# Altium PCB BLDC-2020.PcbDoc (part 1 of 2) (continued)
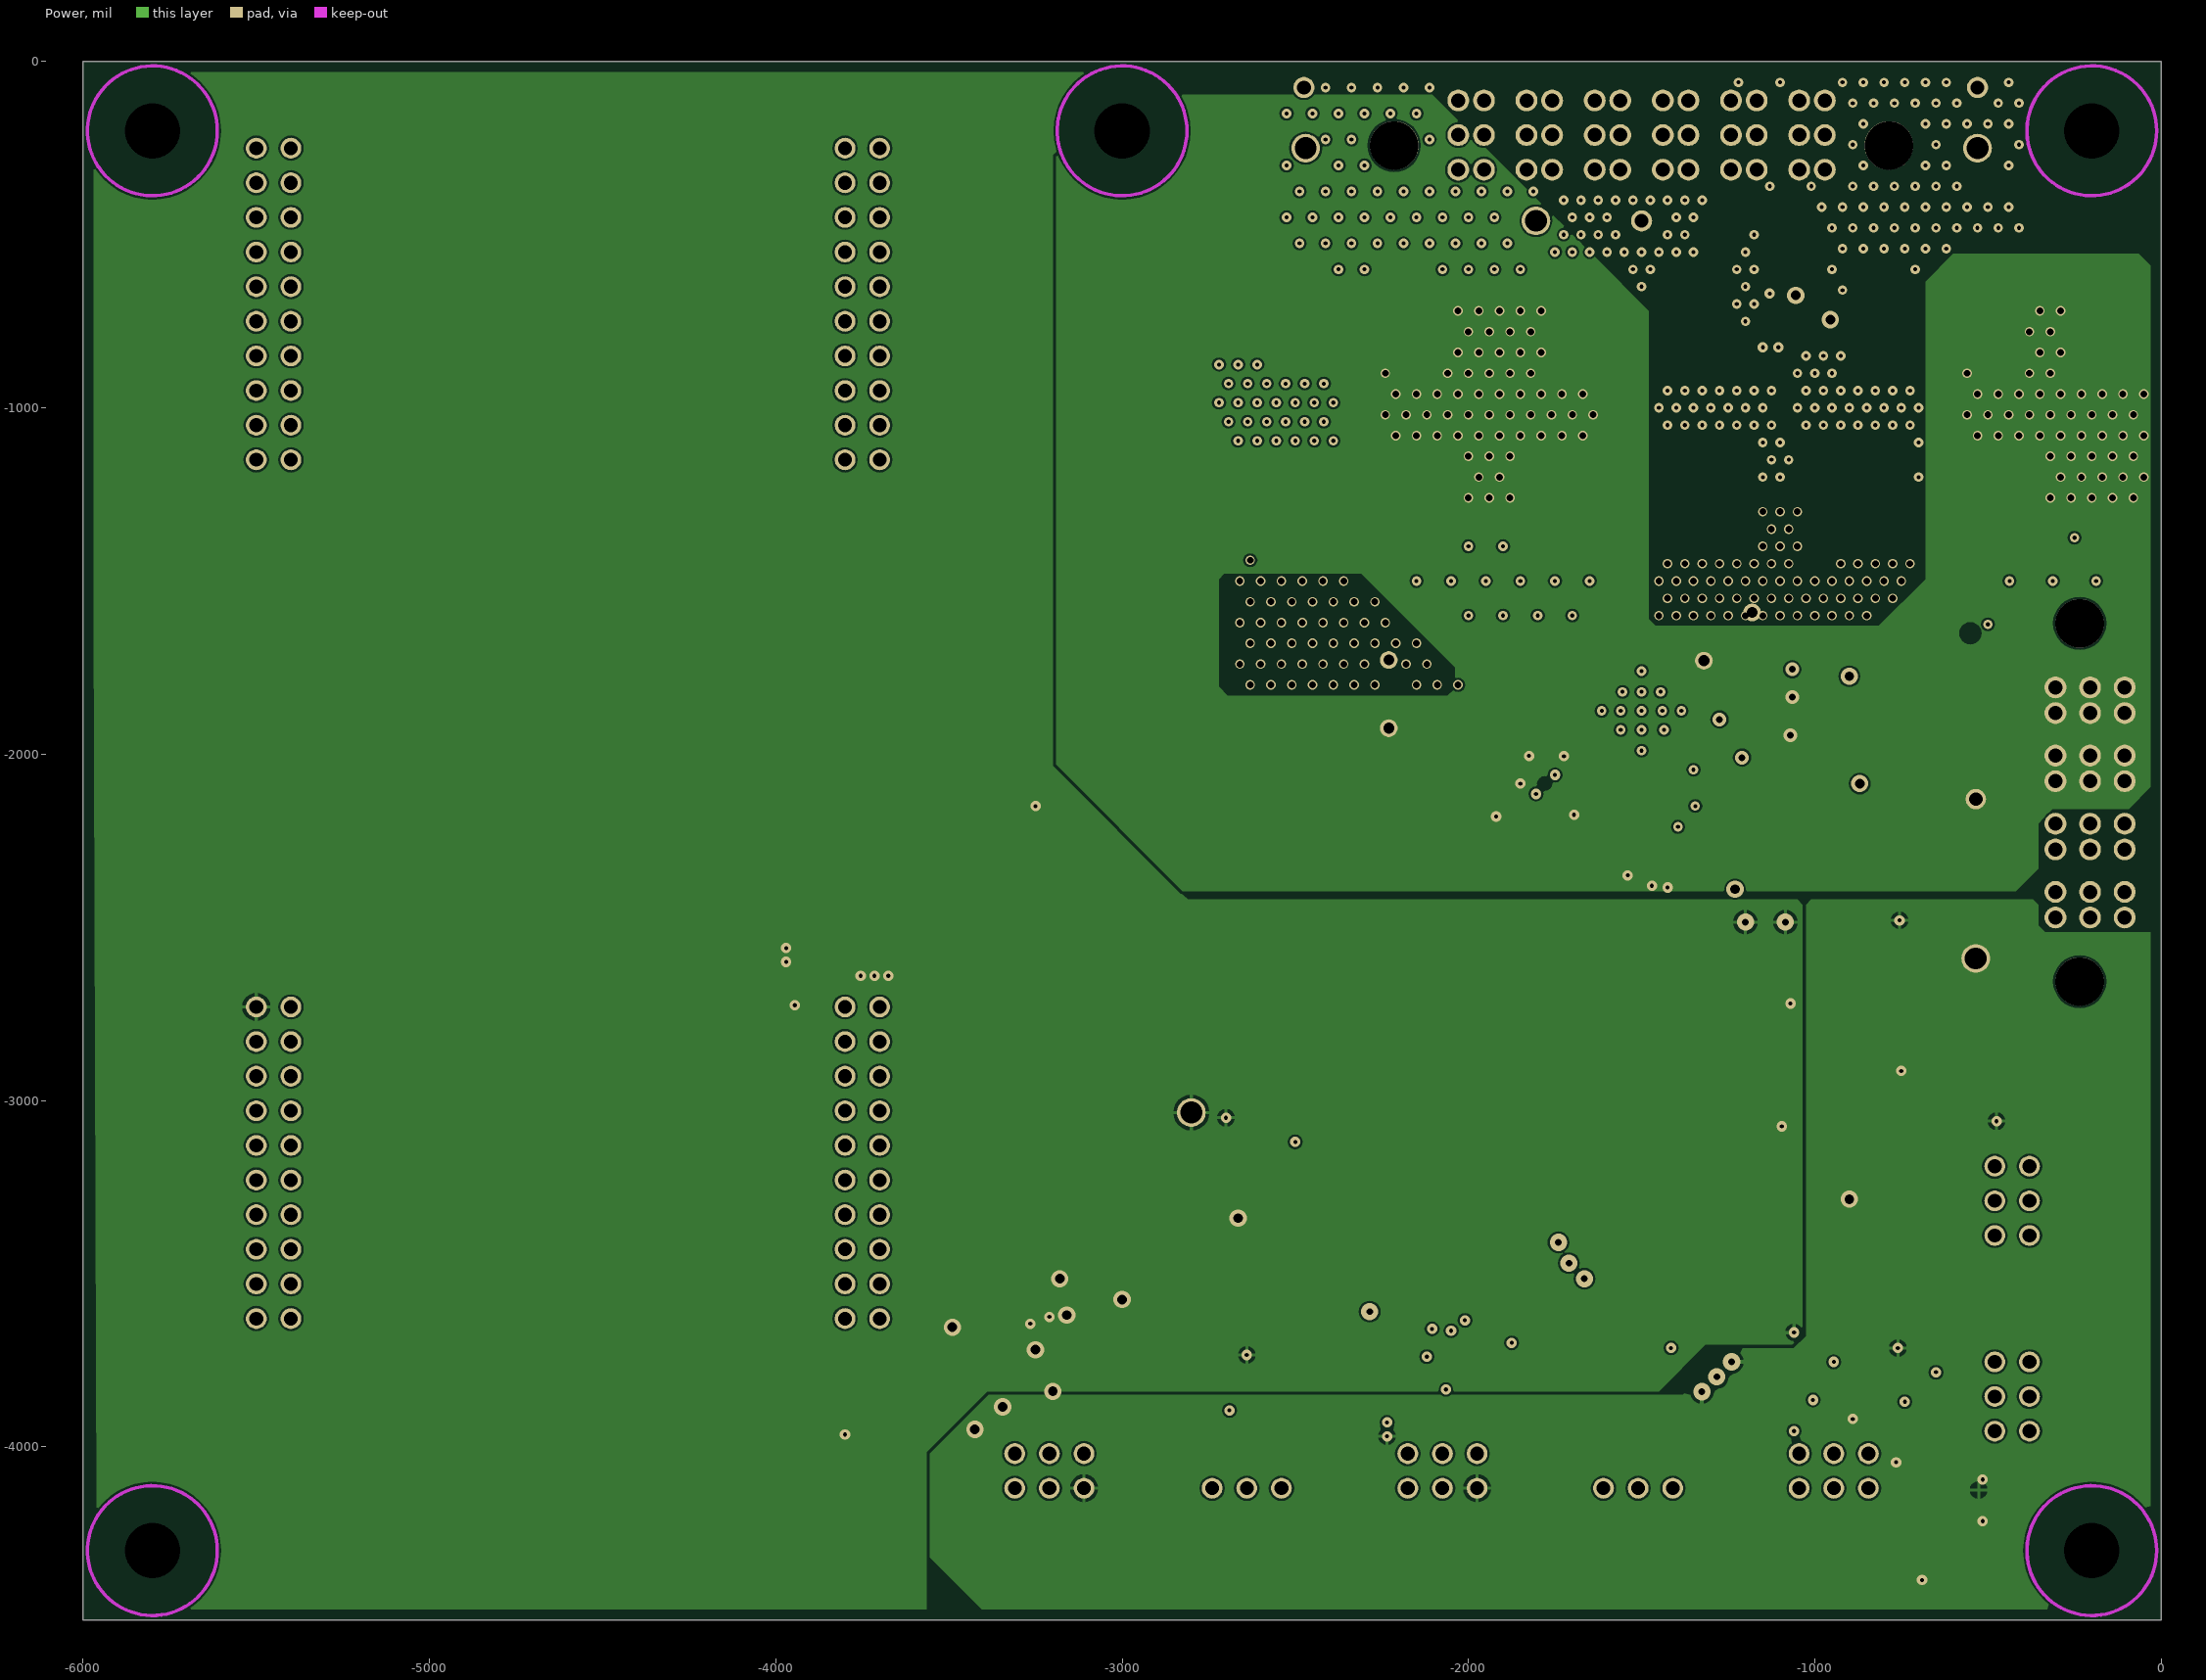
[diagram p3: Power]

## Layer stack, top to bottom
Top Solder: solder mask 0.4, Solder Resist, Dk 3.5
Top Layer: signal copper 2.7559
Dielectric 2: prepreg 2.8, PP-006, Dk 4.1
GND: signal copper 1.3779
Dielectric 1: dielectric 12.6, FR-4, Dk 4.8
Power: signal copper 1.3779
Dielectric 3: prepreg 2.8, PP-006, Dk 4.1
Bottom Layer: signal copper 2.7559
Bottom Solder: solder mask 0.4, Solder Resist, Dk 3.5

## Board outline
-6000,-4500 0,-4500 0,0 -6000,0

## Design rules (kind name [scope] priority, off if disabled: settings)
BoardOutlineClearance [All] p1: gap=30 ignorepadtopadclearanceinfootprint=FALSE
Clearance Stitching [IsStitchingVia vs (IsVia and (Not IsStitchingVia)) Or IsPad] p1: gap=10 ignorepadtopadclearanceinfootprint=FALSE
Clearance [All] p2: gap=6 ignorepadtopadclearanceinfootprint=FALSE except(10: Fill-Fill Fill-Poly Fill-Region Poly-Poly Poly-Region Region-Region)
DiffPairsRouting [All] p1: maxlimit=15 minlimit=6 mostfreqgap=10 toplayer_minwidth=6 toplayer_maxwidth=30 toplayer_prefwidth=15 midlayer1_minwidth=6 midlayer1_maxwidth=30 midlayer1_prefwidth=15 midlayer2_minwidth=6 midlayer2_maxwidth=30 midlayer2_prefwidth=15 bottomlayer_minwidth=6 bottomlayer_maxwidth=30 bottomlayer_prefwidth=15 maxuncoupledlength=250
HoleSize [All] p1: absolutevalues=TRUE maxlimit=100 minlimit=11 maxpercent=80.000 minpercent=20.000
PolygonConnect "Power Connect" [InNet('NetJ2_3')] p1: thpad.connectstyle=Direct thpad.reliefconductorwidth=10 thpad.reliefentries=4 thpad.polygonreliefangle="90 Angle" thpad.airgapwidth=10 smdpad.connectstyle=Direct smdpad.reliefconductorwidth=10 smdpad.reliefentries=4 smdpad.polygonreliefangle="90 Angle" smdpad.airgapwidth=10 via.connectstyle=Relief via.reliefconductorwidth=10 via.reliefentries=4 via.polygonreliefangle="90 Angle" via.airgapwidth=10
PolygonConnect "Main Power Connection" [InNet('VBATT')] p2: connectstyle=Direct reliefconductorwidth=10 reliefentries=4 polygonreliefangle="90 Angle" airgapwidth=10
PolygonConnect "Phase Connections" [(InNetClass('PhaseNet') OR InComponentClass('FETBridge'))] p3: connectstyle=Direct reliefconductorwidth=10 reliefentries=4 polygonreliefangle="90 Angle" airgapwidth=10
PolygonConnect "VBatt Power" [InNet('AGND')] p4: connectstyle=Direct reliefconductorwidth=10 reliefentries=4 polygonreliefangle="90 Angle" airgapwidth=10
PolygonConnect [All] p5: connectstyle=Relief reliefconductorwidth=10 reliefentries=4 polygonreliefangle="90 Angle" airgapwidth=10
RoomDefinition Throttle [InComponentClass('Throttle')] p1: confinementstyle=ConfineIn formatcopy=TRUE lockcomponents=FALSE outline -2911.7,-4155 -2295,-4155 -2295,-2922.87 -2911.7,-2922.87
RoomDefinition Encoder [InComponentClass('Encoder')] p2: confinementstyle=ConfineIn formatcopy=TRUE lockcomponents=FALSE outline -2283.84,-3996.1 -283.84,-3996.1 -283.84,-2996.1 -2283.84,-2996.1
RoomDefinition "5V Regulator" [InComponentClass('5V Regulator')] p3: confinementstyle=ConfineIn formatcopy=TRUE lockcomponents=FALSE outline -3675,-10500 -1675,-10500 -1675,-9500 -3675,-9500
RoomDefinition "3.3V Regulator" [InComponentClass('3.3V Regulator')] p4: confinementstyle=ConfineIn formatcopy=TRUE lockcomponents=FALSE outline -2504.52,-2500 0,-2500 0,-1497.84 -2504.52,-1497.84
RoomDefinition FETBridge [InComponentClass('FETBridge')] p5: confinementstyle=ConfineIn formatcopy=TRUE lockcomponents=FALSE outline -3000,-1500 0,-1500 0,0 -3000,0
RoutingTopology [All] p1: topology=Daisy_Balanced
RoutingVias [All] p1: holewidth=28 width=50 viastyle="Through Hole" minholewidth=11 minwidth=23 maxholewidth=50 maxwidth=100
SolderMaskExpansion [All] p1: expansion=4
ViasUnderSMD [InComponent('U8')] p1: allowed=TRUE
Width [All] p1: maxlimit=1000 minlimit=6 preferedwidth=10
27 further rules are at their usual default settings.

## Classes and differential pairs
component class Throttle: C5 C7 C8 C36 C37 L3 R8 R9 R11 TP4 TP5 U4
component class Encoder: C1 C2 R1 TP1 TP2 TP3 U1 U2
net class PhaseNet: NetQ6_S NetQ7_S NetQ8_S PHASE_A PHASE_B PHASE_C
component class "5V Regulator": C24 C27 C28 C29 C30 C31 C32 C33 D3 L1 R27 R29 R31 R32 R33 TP42 TP44 U10
component class "3.3V Regulator": C23 C26 D2 L2 R28 R30 R34 TP43
component class FETBridge: C17 C18 C19 C34 C35 D1 J5 Q3 Q4 Q5 Q6 Q7 Q8 R22 R23 R24 R25 TP29 TP30 TP31 TP32 TP33 TP34 TP35 TP36 TP39 TP40 TP41
differential pair class SC: SC
differential pair class SB: SB
differential pair class SA: SA
component class "MCU and Digital Interfaces": C1 C2 C3 C4 C5 C6 C7 C8 C9 C10 C11 C12 J1 LED1 LED2 Q1 Q2 R1 R2 R3 R4 R5 R6 R7 R8 R9 R10 R11 R12 R13 R14 R15 R16 R17 TP1 TP2 TP3 TP4 TP5 TP6 TP7 TP8 TP9 TP10 TP11 TP12 TP13 TP14 TP15 TP16 TP17 TP18 TP19 TP20 TP21 TP22 TP23 TP24 TP25 TP26 TP27 TP28 U1 U2 U3 U4 U5 U6 U7
component class "Gate Driver and Power Section": C13 C14 C15 C16 C17 C18 C19 C20 C21 C22 C23 C24 C25 C26 C27 C28 C29 C30 C31 C32 C33 D1 D2 D3 F1 J2 L1 L2 LED3 LED4 LED5 LED6 LED7 LED8 LED9 Q3 Q4 Q5 Q6 Q7 Q8 Q9 Q10 Q11 Q12 Q13 R18 R19 R20 R21 R22 R23 R24 R25 R26 R27 R28 R29 R30 R31 R32 R33 R34 R35 R36 R37 R38 R39 R40 R41 R42 R43 R44 R45 R46 TP29 TP30 TP31 TP32 TP33 TP34 TP35 TP36 TP37 TP38 TP39 TP40 TP41 TP42 TP43 TP44 TP45 U8 U9 U10
component class "Connectors and Inputs": C34 C35 C36 C37 C38 C39 C40 D4 D5 D6 F2 F3 F4 J3 J4 J5 J6 J7 J8 J9 J10 J11 J12 L3 R47 R48 R49 R50 R51 R52 R53 R54 R55 TP46 TP47
differential pair SC: +SC_P -SC_N
differential pair SB: +SB_P -SB_N
differential pair SA: +SA_P -SA_N

## Components (designator, comment, footprint, x,y, rotation, side; value= is the part's Value field where it differs from the comment)
C1 "0.1uF" CAPC1608X05L -1875,-3635 r90 top
C2 "0.1uF" CAPC1608X05L -2170,-3935 r0 top
C3 "0.1uF" CAPC1608X05L 1090,-635 r0 top
C4 "0.1uF" CAPC1608X05L -1410,1500 r180 top
C5 "0.1uF" CAPC1608X05L -2665,-3780 r180 top
C6 "0.1uF" CAPC1608X05L 2625,-1030 r0 top
C7 "3.9nF" CAPC1608X05L -2805,-3915 r270 top
C8 "39nF" CAPC1608X05L -2865,-3915 r90 top
C9 "0.1uF" CAPC1608X05L -735,-3760 r180 top
C10 "0.1uF" CAPC1608X05L -970,-3705 r180 top
C11 "0.1uF" CAPC1608X05L 740,-2460 r270 top
C12 "0.1uF" CAPC1608X05L -3109.41,-3515 r0 top
C13 "1uF" CAPC1608X05L -1320,-1770 r315 top
C14 "47nF" CAPC0603(1608)100_N -1235,-1840 r135 top
C15 "10uF" CAPC1608X90X35NL15T15 -1180,-1755 r180 top
C16 "0.1uF" CAPC1608X05L -1144.41,-1810 r180 top
C17 "10uF" CAPC5750X279X64NL40T39 -475,-1275 r90 top
C18 "10uF" CAPC5750X279X64NL40T39 -1725,-1275 r90 top
C19 "10uF" CAPC5750X279X64NL40T39 -2150,-1275 r90 top
C20 "1uF" CAPC1608X05L -1558.09,-2101.91 r315 top
C21 "0.1uF" CAPC1608X05L -1698.09,-1976.91 r135 top
C22 "0.1uF" CAPC1608X05L 1760,30 r90 top
C23 "0.1uF" CAPC1608X05L -1300,-2094.41 r90 top
C24 "0.1uF" CAPC1608X05L -3307.29,-10116.83 r90 top
C25 "2.2uF" CAPC3225X250X20LL40 -1070,-1945 r180 top
C26 "10uF" CAPC1608X05L -870,-2164.41 r270 top
C27 "100uF" MURA-1210_H_2.7_M -3570.45,-10130.61 r0 top
C28 "100uF" MURA-1210_H_2.7_M -1799.68,-9579.12 r0 top
C29 "10uF" TDK-C5750-2_L -2196.89,-9628.33 r0 top
C30 "10uF" TDK-C5750-2_L -2476.86,-9628.33 r0 top
C31 "0.1uF" CAPC1608X05L -3245.83,-10116.83 r90 top
C32 "4700pf" CAPC1608X90X35ML10T15 -2708.73,-10096.17 r0 top
C33 "270pf" CAPC1608X90X35ML15T15 -2958.63,-10097.15 r0 top
C34 "390uF" EGPD800ELL391MK25H -1320,-1730 r45 top
C35 "390uF" EGPD800ELL391MK25H -2230,-1925 r90 top
C36 "22uF" CAPC2013X145X50ML20T25 -2590.43,-3050 r180 top
C37 "22uF" CAPC2013X145X50ML20T25 -2364.57,-3710 r180 top
C38 "47nF" CAPC1608X05L 2640,-260 r90 top
C39 "47nF" CAPC1608X05L 1745,-260 r90 top
C40 "47nF" CAPC1608X05L 830,-260 r90 top
D1 "1SMB5936BT3G" ONSC-SMB-2-403A-03_H_V -1187.99,-490 r0 top
D2 "PMEG6010CEH,115" SODFL350X120-2N -1325,-2265 r270 top
D3 "B3100-13-F" DIOD-SMC-2_V -2918.5,-9707.07 r90 top
D4 "MMSZ5226BT1G" ONSC-SOD-123-2-425-04_V 1255,-1485 r0 top
D5 "MMSZ5226BT1G" ONSC-SOD-123-2-425-04_V 2040,-270 r0 top
D6 "MMSZ5226BT1G" ONSC-SOD-123-2-425-04_V 1125,-270 r0 top
F1 "1.5A" TECO-NANOSMDC150F-2_V -1410,-3900 r90 top
F2 "0451.500MRL" LFUS-45X_V -900,-3463.35 r90 top
F3 "0451.500MRL" LFUS-45X_V -490,-3025 r180 top
F4 "0451.500MRL" LFUS-45X_V -510,-4095 r180 top
J1 "693072010801" 693072010801 -4190,-4120 r0 top
J2 "IPL1-103-01-L-S-RA-K" IPL1-103-01-XXX-S-RA -1510,-4500 r180 top
J3 "LuanchPad 40 Pin" "TI LuanchPad" -4600,-3180 r0 top
J4 "LuanchPad 40 Pin" "TI LuanchPad" -4600,-700 r0 top
J5 "MPT-04-01-01-L-RA-SD" *MPT-04-01-XX-X-RA-SD 7.2,-2139.57 r90 top
J6 "IPL1-103-01-XXX-D-RA" IPL1-103-01-XXX-D-RA -3210,-4500 r180 top
J7 "IPL1-103-01-L-S-RA-K" IPL1-103-01-XXX-S-RA -2640,-4500 r180 top
J8 "IPL1-103-01-XXX-D-RA" IPL1-103-01-XXX-D-RA -945,-4500 r180 top
J9 "MPT-06-01-01-L-RA-SD" *MPT-06-01-XX-X-RA-SD -1500,0 r180 top locked
J10 "IPL1-103-01-XXX-D-RA" IPL1-103-01-XXX-D-RA -2075,-4500 r180 top
J11 "IPL1-103-01-XXX-D-RA" IPL1-103-01-XXX-D-RA 0,-3290 r270 top
J12 "IPL1-103-01-XXX-D-RA" IPL1-103-01-XXX-D-RA 0,-3855 r270 top
L1 "22uH" WE-HCI-1365 -3365.72,-9785.75 r0 top
L2 "33uH" INDP8080X46L -1085,-2190 r0 top
L3 "120uH" INDP125125X60N -2625,-3400 r270 top
LED1 "150080GS75000" 0805_A 1980,-680 r90 top
LED2 "150080GS75000" 0805_A -503.66,-4390 r0 top
LED3 "150060VS75000" 0603_A -7140,-2135 r90 top
LED4 "150080GS75000" 0805_A -7310,-2125 r90 top
LED5 "150080GS75000" 0805_A -755,-2253.66 r270 top
LED6 "150080GS75000" 0805_A -750,-2698.66 r270 top
LED7 "150080GS75000" 0805_A -75,-1365 r270 top
LED8 "150080GS75000" 0805_A -750,-3045 r270 top
LED9 "150060VS75000" 0603_A -6985,-2150 r90 top
Q1 "DMN1019USN-7" SOT95P285X140-3N -4240,-2290 r0 top
Q2 "DMN1019USN-7" SOT95P285X140-3N -635,-4280 r0 top
Q3 "BSC027N06LS5ATMA1" PG-TDSON-8-7 -2190,-750 r270 top
Q4 "BSC027N06LS5ATMA1" PG-TDSON-8-7 -510,-750 r270 top
Q5 "BSC027N06LS5ATMA1" PG-TDSON-8-7 -1650,-750 r270 top
Q6 "BSC027N06LS5ATMA1" PG-TDSON-8-7 -2490,-750 r90 top
Q7 "BSC027N06LS5ATMA1" PG-TDSON-8-7 -810,-750 r90 top
Q8 "BSC027N06LS5ATMA1" PG-TDSON-8-7 -1350,-750 r90 top
Q9 "NX3008CBKV,115" NXP-SOT666_M 1165,-1805 r0 top
Q10 "NTR4101PT1G" ONSC-SOT-23-3-318-08_V 765,-1490 r0 top
Q11 "FQD9N25TM_F080" DPAK229P991X239-3N -1605,-3727.05 r270 top
Q12 "DMN1019USN-7" SOT95P285X140-3N -1010,-2990 r0 top
Q13 "DMN1019USN-7" SOT95P285X140-3N -715,-2100 r0 top
R1 "0" RESC3116X65X40NL10T20 -2230,-3485 r0 top
R2 "91" RESC1608X50X30NL20T20 2670,-645 r0 top
R3 "100" CAPC1608X05L 1820,-635 r0 top
R4 "10k" CAPC1608X05L 1430,-635 r0 top
R5 "10k" CAPC1608X05L 410,-635 r0 top
R6 "100k" CAPC1608X05L 580,-635 r0 top
R7 "100k" CAPC1608X05L 750,-635 r0 top
R8 "19.1K" CAPC1608X05L -2665,-4005 r180 top
R9 "536k" CAPC1608X05L -2770,-4005 r180 top
R10 "91" RESC1608X50X30NL20T20 -465,-4279.41 r90 top
R11 "0" RESC3116X65X40NL10T20 -2515,-3850 r90 top
R12 "10k" CAPC1608X05L -735,-3915 r180 top
R13 "100" CAPC1608X05L -720,-4070 r270 top
R14 "10k" CAPC1608X05L -3020,-4055 r270 top
R15 "10k" CAPC1608X05L -3424.41,-4095 r180 top
R16 "10k" CAPC1608X05L -3425,-4025 r180 top
R17 "0" RESC3116X65X40NL10T20 -3436.1,-3565 r0 top
R18 "10k" CAPC1608X05L -1648.09,-2138.09 r45 top
R19 "10k" CAPC1608X05L -3200,-2150 r270 top
R20 "10k" CAPC1608X05L 665,95 r90 top
R21 "10k" CAPC1608X05L 2175,10 r90 top
R22 "2m" WSL27262L000FEB -840,-1270 r180 top
R23 "2m" WSL27262L000FEB -1300,-1270 r180 top
R24 "2m" WSL27262L000FEB -2500,-1270 r180 top
R25 "470" CAPC1608X05L -1075,-620 r180 top
R26 "10k" CAPC1608X05L 1530,30 r90 top
R27 "53.6k" RESC1609X50X30ML10T20 -2828.27,-10096.17 r0 top
R28 "100k" CAPC1608X05L -1210,-1945 r180 top
R29 "10K" RESC1608X55X25ML10T15 -2588.21,-10095.18 r0 top
R30 "28k" CAPC1608X05L -919.41,-1980 r0 top
R31 "412k" RESC1608X55X30LL15T15 -3061.43,-10113.88 r90 top
R32 "10k" RESC1609X55X30LL15T15 -3184.36,-10115.85 r90 top
R33 "12.7k" RESC1608X55X30LL15T15 -3122.9,-10113.88 r90 top
R34 "8.45k" CAPC1608X05L -920,-1915 r0 top
R35 "41" RESC1609X50X30ML10T20 2430,-1455 r0 top
R36 "91" RESC1608X50X30NL20T20 -755,-2405.59 r270 top
R37 "91" RESC1608X50X30NL20T20 -750,-2845 r270 top
R38 "430" RESC1608X55X30LL20T10 -90,-1465 r0 top
R39 "91" RESC1608X50X30NL20T20 -870,-3110.59 r270 top
R40 "91" RESC1608X50X30NL20T20 1945,-1465 r90 top
R41 "100" CAPC1608X05L 2245,-1455 r90 top
R42 "10k" CAPC1608X05L -1415,-3635 r90 top
R43 "100" CAPC1608X05L 1310,-1805 r90 top
R44 "100" CAPC1608X05L 1540,-1805 r90 top
R45 "100" CAPC1608X05L -1065,-2810 r270 top
R46 "41" RESC1609X50X30ML10T20 485,-1800 r0 top
R47 "10k" CAPC1608X05L 1900,-2235 r90 top
R48 "10k" CAPC1608X05L 1670,-2235 r90 top
R49 "28k" CAPC1608X05L 1220,-2204.41 r90 top
R50 "97.6k" RESC1608X55X30NL15T15 -2745,-640 r180 top
R51 "4.99K" CAPC1608X05L 2430,-260 r90 top
R52 "97.6k" RESC1608X55X30NL15T15 -2751.57,-575 r180 top
R53 "4.99K" CAPC1608X05L 1515,-260 r90 top
R54 "97.6k" RESC1608X55X30NL15T15 -2745,-505 r180 top
R55 "4.99K" CAPC1608X05L 600,-260 r90 top
TP1 "5015" KSTN-5015_V#1 -1930,-3445 r90 top
TP2 "5015" KSTN-5015_V#1 -2045,-3445 r90 top
TP3 "5015" KSTN-5015_V#1 -1815,-3445 r90 top
TP4 "5015" KSTN-5015_V#1 -2515,-3990 r180 top
TP5 "5015" KSTN-5015_V#1 -2840,-3765 r270 top
TP6 "5015" KSTN-5015_V#1 -5805,-1983.33 r180 top
TP7 "5015" KSTN-5015_V#1 -5805,-2159.17 r180 top
TP8 "5015" KSTN-5015_V#1 -5805,-1807.5 r180 top
TP9 "5015" KSTN-5015_V#1 -3280,-2735 r0 top
TP10 "5015" KSTN-5015_V#1 -3280,-2835 r0 top
TP11 "5015" KSTN-5015_V#1 -3280,-2935 r0 top
TP12 "5015" KSTN-5015_V#1 -3280,-3035 r0 top
TP13 "5015" KSTN-5015_V#1 -3280,-3135 r0 top
TP14 "5015" KSTN-5015_V#1 -3280,-3235 r0 top
TP15 "5015" KSTN-5015_V#2 -1050,-3540 r90 top
TP16 "5015" KSTN-5015_V#3 -1160,-3540 r90 top
TP17 "5015" KSTN-5015_V#4 -1280,-3535 r90 top
TP18 "5015" KSTN-5015_V#1 -3195,-3405 r90 top
TP19 "5015" KSTN-5015_V#1 -3345,-3405 r90 top
TP20 "5015" KSTN-5015_V#1 -3400,-1560 r90 top
TP21 "5015" KSTN-5015_V#1 -5805,-3840 r180 top
TP22 "5015" KSTN-5015_V#1 -5800,-4010 r180 top
TP23 "5015" KSTN-5015_V#1 -5810,-1600 r180 top
TP24 "5015" KSTN-5015_V#1 -5805,-1455.83 r180 top
TP25 "5015" KSTN-5015_V#1 -5805,-1280 r180 top
TP26 "5015" KSTN-5015_V#1 -3045,-3405 r90 top
TP27 "5015" KSTN-5015_V#1 -4790,-4220 r90 top
TP28 "5015" KSTN-5015_V#1 -5805,-2335 r180 top
TP29 "5015" KSTN-5015_V#1 -1300,-2865 r90 top
TP30 "5015" KSTN-5015_V#1 -1745,-2815 r90 top
TP31 "5015" KSTN-5015_V#1 -1895,-2740 r90 top
TP32 "5002" KSTN-5002 -530,-75 r90 top
TP33 "5002" KSTN-5002 -1500,-460 r90 top
TP34 "5002" KSTN-5002 -2475,-75 r90 top
TP35 "5015" KSTN-5015_V#1 -1415,-2750 r90 top
TP36 "5015" KSTN-5015_V#1 -1580,-2850 r90 top
TP37 "5015" KSTN-5015_V#1 900,90 r90 top
TP38 "5015" KSTN-5015_V#1 1920,-15 r90 top
TP39 "5011" KSTN-5011_V -2470,-250 r0 top
TP40 "5011" KSTN-5011_V -1805,-460 r0 top
TP41 "5011" KSTN-5011_V -530,-250 r0 top
TP42 "5004" KSTN-5004 -3401.96,-10125.43 r90 top
TP43 "5013" KSTN-5013_V -2800,-3035 r0 top
TP44 "5011" KSTN-5011_V -1980.57,-9586.34 r0 top
TP45 "5011" KSTN-5011_V 970,-2205 r0 top
TP46 "5003" KSTN-5003 -535,-2130 r90 top
TP47 "5011" KSTN-5011_V -535,-2590 r0 top
U1 "SN74LV4T125PWR" PW0014A_N -2060,-3660 r0 top
U2 "SN74LVC3G17DCTR" DCT0008A_M -2065,-3850 r180 top
U3 "TXS0108EPWR" PW0020A_M -1930,-3105 r0 top
U4 "LTC6240CS5" LT-S5-5-TSOT-23_L -2685,-3890 r0 top
U5 "TXB0104PWR" PW0014A_N -945,-3840 r0 top
U6 "SN74LVC3G17DCTR" DCT0008A_M -3200,-3845 r180 top
U7 "SN74LV4T125PWR" PW0014A_N -3195,-3645 r0 top
U8 "DRV8323RSRGZR" QFN50P700X700X100_HS-49N -1500,-1875 r225 top
U9 "TC77-5.0MCTTR" SOT-23-CT5_N -1055,-750 r0 top
U10 "TPS54260DGQR" DGQ0010D_N -2691.8,-9638.17 r90 top

## Footprints (in the part's own frame and the unit in brackets; to place one, negate y for a bottom-side part, rotate by r counter-clockwise, add the part's x,y. Pads: shape width x height; smd on the part's side, far side on the other; paste and mask are expansions set on the pad)
0603_A [mm] "Chip LED, 2-Leads, Body 1.6x0.8mm, IPC Medium Density"
  rect 0.8x0.8 smd: 1(-0.8,0) 2(0.8,0)
  silkscreen extent -1.5,-0.3 -1.5,0.3, body extent -0.8,-0.4 0.8,0.4, height 0.7
0805_A [mm] "Chip LED, 2-Leads, Body 2.0x1.3mm, IPC Medium Density"
  rect 1.1x1.2 smd: 1(-1.05,0) 2(1.05,0)
  silkscreen extent -0.15,-0.5 0.15,0.5, body extent -1,-0.62 1,0.63, height 0.68
693072010801 [mm] "Micro SD Card Connector Hinge - 8 Pins"
  rect 0.8x1.5 smd: 1(3.2,-2.7) 2(2.1,-2.7) 3(1,-2.7) 4(-0.1,-2.7) 5(-1.2,-2.7) 6(-2.3,-2.7) 7(-3.4,-2.7) 8(-4.5,-2.7)
  rect 1.45x2 smd: Shield(-6.875,-5.3) Shield(-6.875,3) Shield(6.875,-5.3) Shield(6.875,3)
  silkscreen extent -6.8,-6.85 6.8,6.85, body extent -7.25,-6.85 7.25,6.85, height 1.79
*MPT-04-01-XX-X-RA-SD [mm]
  round 3.56 hole 3.56 unplated: None(-13.14,6.15) None(13.14,6.15)
  round 1.6 hole 1.04: P1-1(-8.44,7.93) P1-2(-8.44,5.39) P1-3(-8.44,2.85) P1-4(-6.56,7.93) P1-5(-6.56,5.39) P1-6(-6.56,2.85) P2-1(-3.44,7.93) P2-2(-3.44,5.39) P2-3(-3.44,2.85) P2-4(-1.56,7.93) P2-5(-1.56,5.39) P2-6(-1.56,2.85) P3-1(1.56,7.93) P3-2(1.56,5.39) P3-3(1.56,2.85) P3-4(3.44,7.93) P3-5(3.44,5.39) P3-6(3.44,2.85) P4-1(6.56,7.93) P4-2(6.56,5.39) P4-3(6.56,2.85) P4-4(8.44,7.93) P4-5(8.44,5.39) P4-6(8.44,2.85)
  silkscreen extent -16.18,3.19 16.18,9.19, body extent -15.62,-6.01 15.74,8.8, height 10.75
*MPT-06-01-XX-X-RA-SD [mm]
  round 1.6 hole 1.04: 1(-13.44,7.93) 2(-13.44,5.39) 3(-13.44,2.85) 4(-11.56,7.93) 5(-11.56,5.39) 6(-11.56,2.85) 7(-8.44,7.93) 8(-8.44,5.39) 9(-8.44,2.85) 10(-6.56,7.93) 11(-6.56,5.39) 12(-6.56,2.85) 13(-3.44,7.93) 14(-3.44,5.39) 15(-3.44,2.85) 16(-1.56,7.93) 17(-1.56,5.39) 18(-1.56,2.85) 19(1.56,7.93) 20(1.56,5.39) 21(1.56,2.85) 22(3.44,7.93) 23(3.44,5.39) 24(3.44,2.85) 25(6.56,7.93) 26(6.56,5.39) 27(6.56,2.85) 28(8.44,7.93) 29(8.44,5.39) 30(8.44,2.85) 31(11.56,7.93) 32(11.56,5.39) 33(11.56,2.85) 34(13.44,7.93) 35(13.44,5.39) 36(13.44,2.85)
  round 3.56 hole 3.56 unplated: None(-18.14,6.15) None(18.14,6.15)
  silkscreen extent -21.18,3.19 21.18,9.19, body extent -20.7,-6.05 20.66,8.76, height 10.85
CAPC0603(1608)100_N [mm] "Chip Capacitor, Body 1.6x0.8mm, Height 1.0mm, IPC Medium Density"
  rect 0.9x1 smd: 1(-0.8,0) 2(0.8,0)
  silkscreen extent -0.05,-0.4 0.05,0.4, body extent -0.88,-0.48 0.88,0.47, height 1
CAPC1608X05L [mm] "Chip Capacitor, 2-Leads, Body 1.60x0.80mm, IPC High Density"
  rect 0.8x0.85 smd: 1(-0.65,0) 2(0.65,0)
  body extent -0.85,-0.45 0.85,0.45, height 0.5
CAPC1608X90X35ML10T15 [mm] "Chip Capacitor, 2-Leads, Body 1.60x0.80mm, IPC Low Density"
  rect 0.95x1.05 smd: 1(-0.725,0) 2(0.725,0)
  body extent -0.85,-0.45 0.85,0.45, height 0.9
CAPC1608X90X35ML15T15 [mm] "Chip Capacitor, 2-Leads, Body 1.60x0.81mm, IPC Low Density"
  rect 1.25x1.1 smd: 1(-0.85,0) 2(0.85,0)
  body extent -0.88,-0.48 0.87,0.48, height 0.9
CAPC1608X90X35NL15T15 [mm] "Chip Capacitor, 2-Leads, Body 1.60x0.81mm, IPC Medium Density"
  rect 1.05x1 smd: 1(-0.75,0) 2(0.75,0)
  body extent -0.88,-0.48 0.87,0.48, height 0.9
CAPC2013X145X50ML20T25 [mm] "Chip Capacitor, 2-Leads, Body 2.00x1.25mm, IPC Low Density"
  rect 1.5x1.55 smd: 1(-0.9,0) 2(0.9,0)
  body extent -1.1,-0.72 1.1,0.72, height 1.45
CAPC3225X250X20LL40 [mm] "Chip Capacitor, 2-Leads, Body 3.60x2.80mm, IPC High Density"
  rect 0.75x2.7 smd: 1(-1.575,0) 2(1.575,0)
  silkscreen extent -0.8,-1.25 0.8,1.25, body extent -1.8,-1.4 1.8,1.4, height 2.5
CAPC5750X279X64NL40T39 [mm] "Chip Capacitor, 2-Leads, Body 6.1x5.4mm, IPC Medium Density"
  rect 1.8x5.4 smd: 1(-2.525,0) 2(2.525,0)
  silkscreen extent -1.25,-2.6 1.25,2.6, body extent -3.05,-2.7 3.05,2.7, height 2.79
DCT0008A_M [mm] "SOP, 8-Leads, Body 2.9x3.2mm, Pitch 0.65mm, IPC Low Density"
  rrect22% 1.25x0.45 smd: 1(-2.075,0.975) 2(-2.075,0.325) 3(-2.075,-0.325) 4(-2.075,-0.975) 5(2.075,-0.975) 6(2.075,-0.325) 7(2.075,0.325) 8(2.075,0.975)
  silkscreen extent -2.2,-1.6 1.05,1.87, body extent -2.01,-1.47 2.01,1.48, height 1.3
DGQ0010D_N [mm] "TSOP, 10-Leads, Body 3.1x3.1mm, Pitch 0.5mm, Thermal Pad 1.88x1.57mm, IPC Medium Density"
  rrect33% 1.35x0.3 smd: 1(-2.225,1) 2(-2.225,0.5) 3(-2.225,0) 4(-2.225,-0.5) 5(-2.225,-1) 6(2.225,-1) 7(2.225,-0.5) 8(2.225,0) 9(2.225,0.5) 10(2.225,1)
  rrect6% 1.57x1.88 smd: 11(0,0)
  silkscreen extent -2.35,-1.55 1.15,1.87, body extent -2.45,-1.5 2.45,1.5, height 0.94
DIOD-SMC-2_V [mm] "Molded Diode, 2-Leads, Body 7.11x6.22mm"
  rect 2.5x3.3 smd: 1(-3.4,0) 2(3.4,0)
  silkscreen extent -3.6,-3.15 4.52,3.15, body extent -3.77,-3.11 3.77,3.11, height 2.5
DPAK229P991X239-3N [mm] "D-PAK, 3-Pads, Body 6.21x6.73mm (max), IPC Medium Density"
  rect 3x1.4 smd: 1(-3,2.29) 3(-3,-2.29)